# Altium PCB Master_v1i3.PcbDoc
Units mm, origin at the board's own origin, x right, y up, seen from the top; angles counter-clockwise.
Board outline 102 x 79 mm, 4 copper layers (L1, L2, L3, L4), stack 0.844 mm thick; 33 components, 66 nets, 406 pads, 65 vias.
Unrouted connection lines stored in the file: 12.
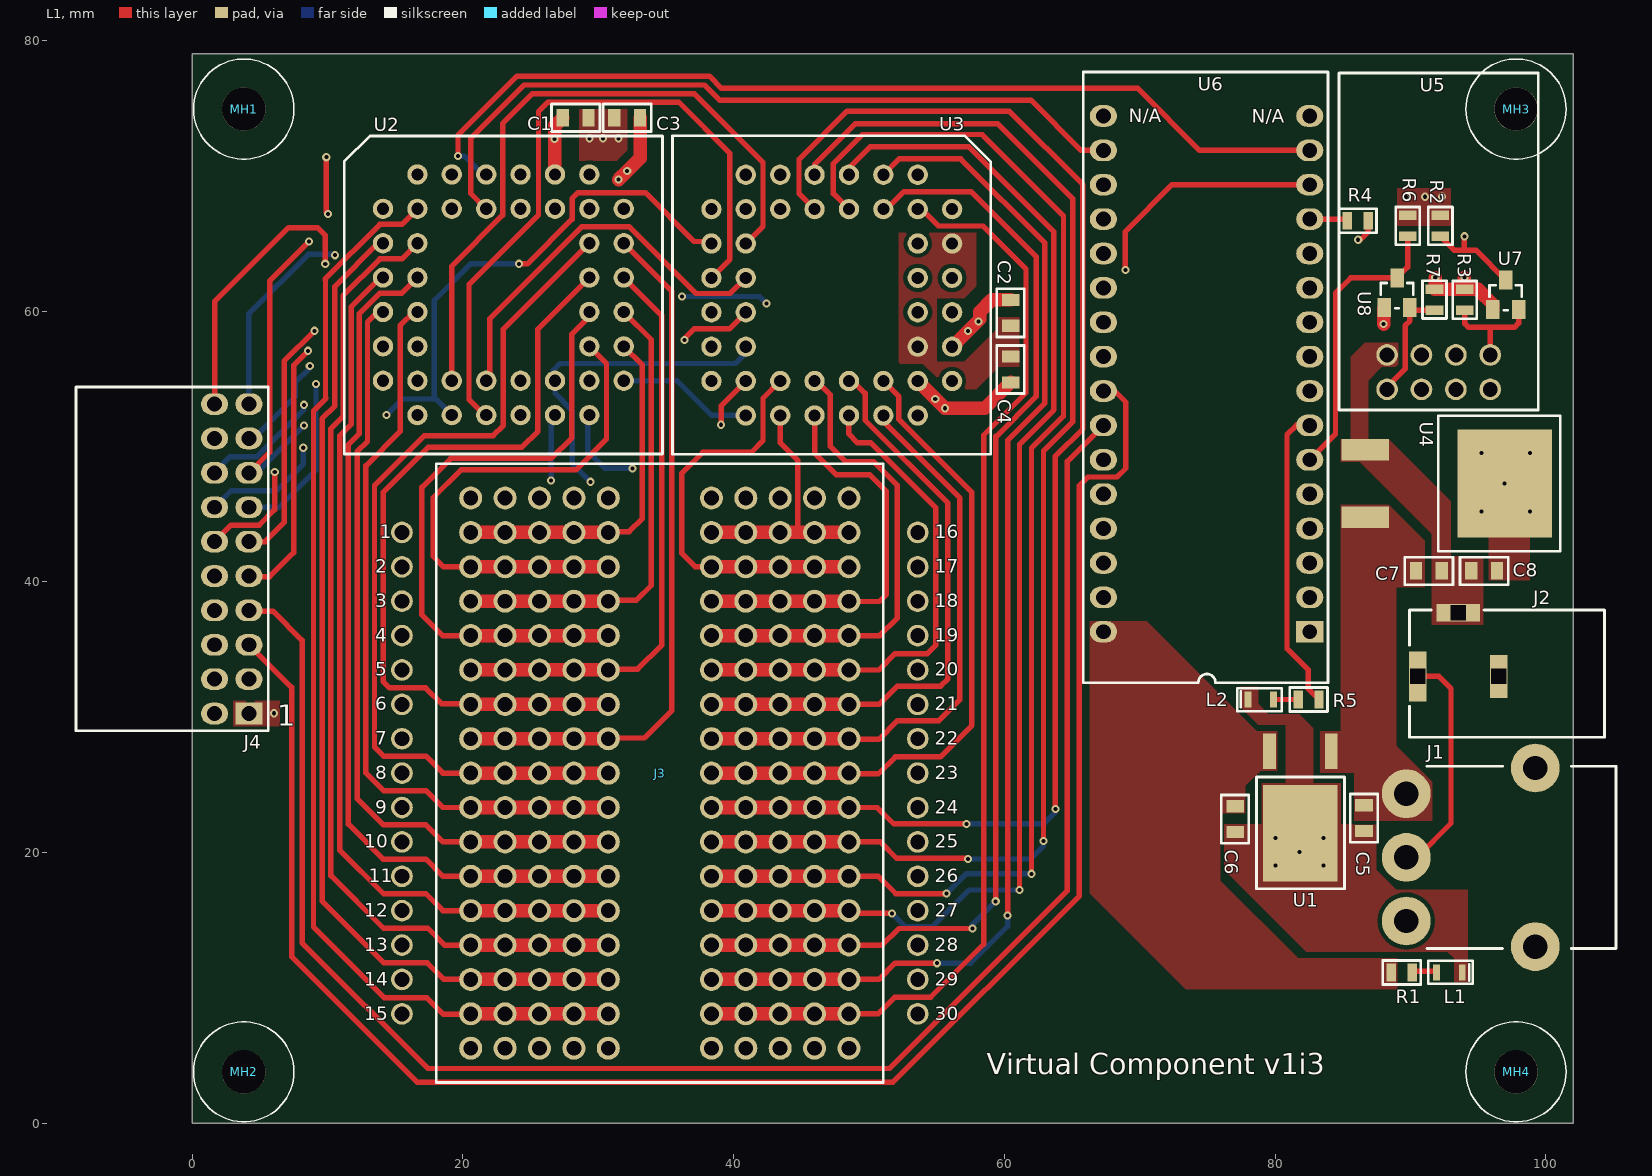
[diagram p0: L1 view]
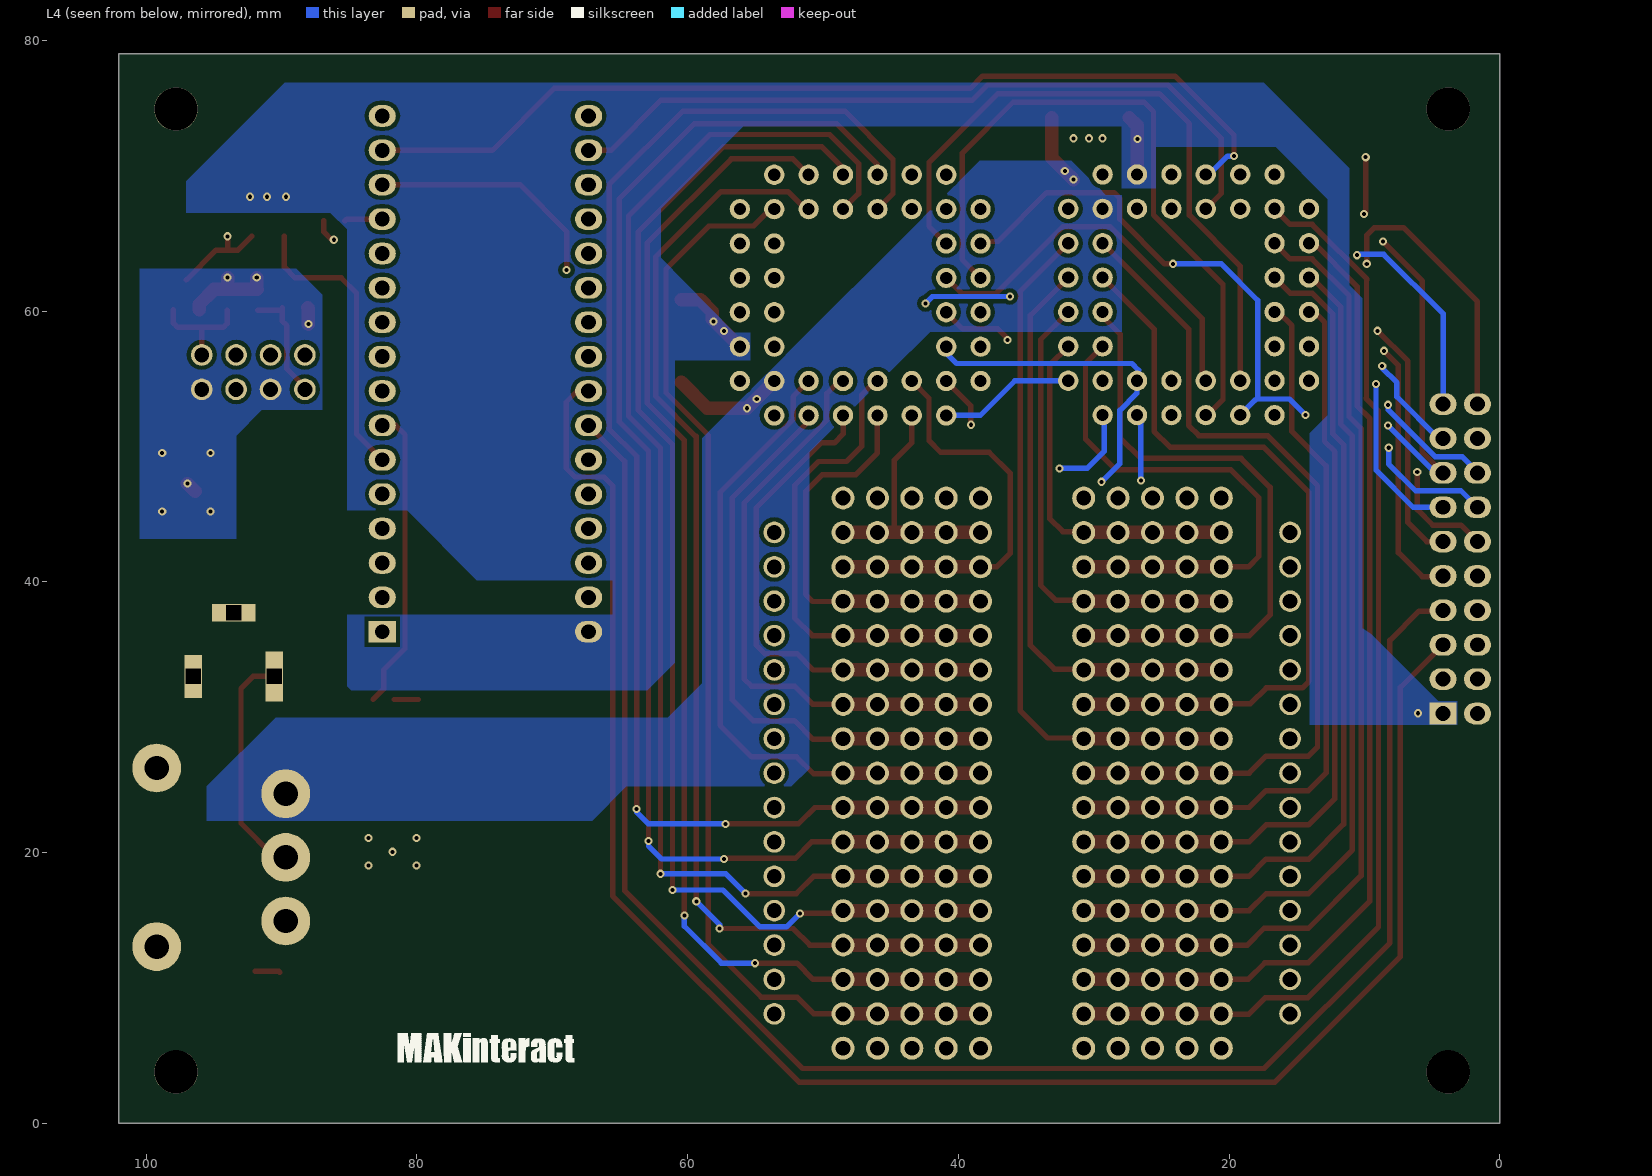
[diagram p1: L4 view, seen from below]
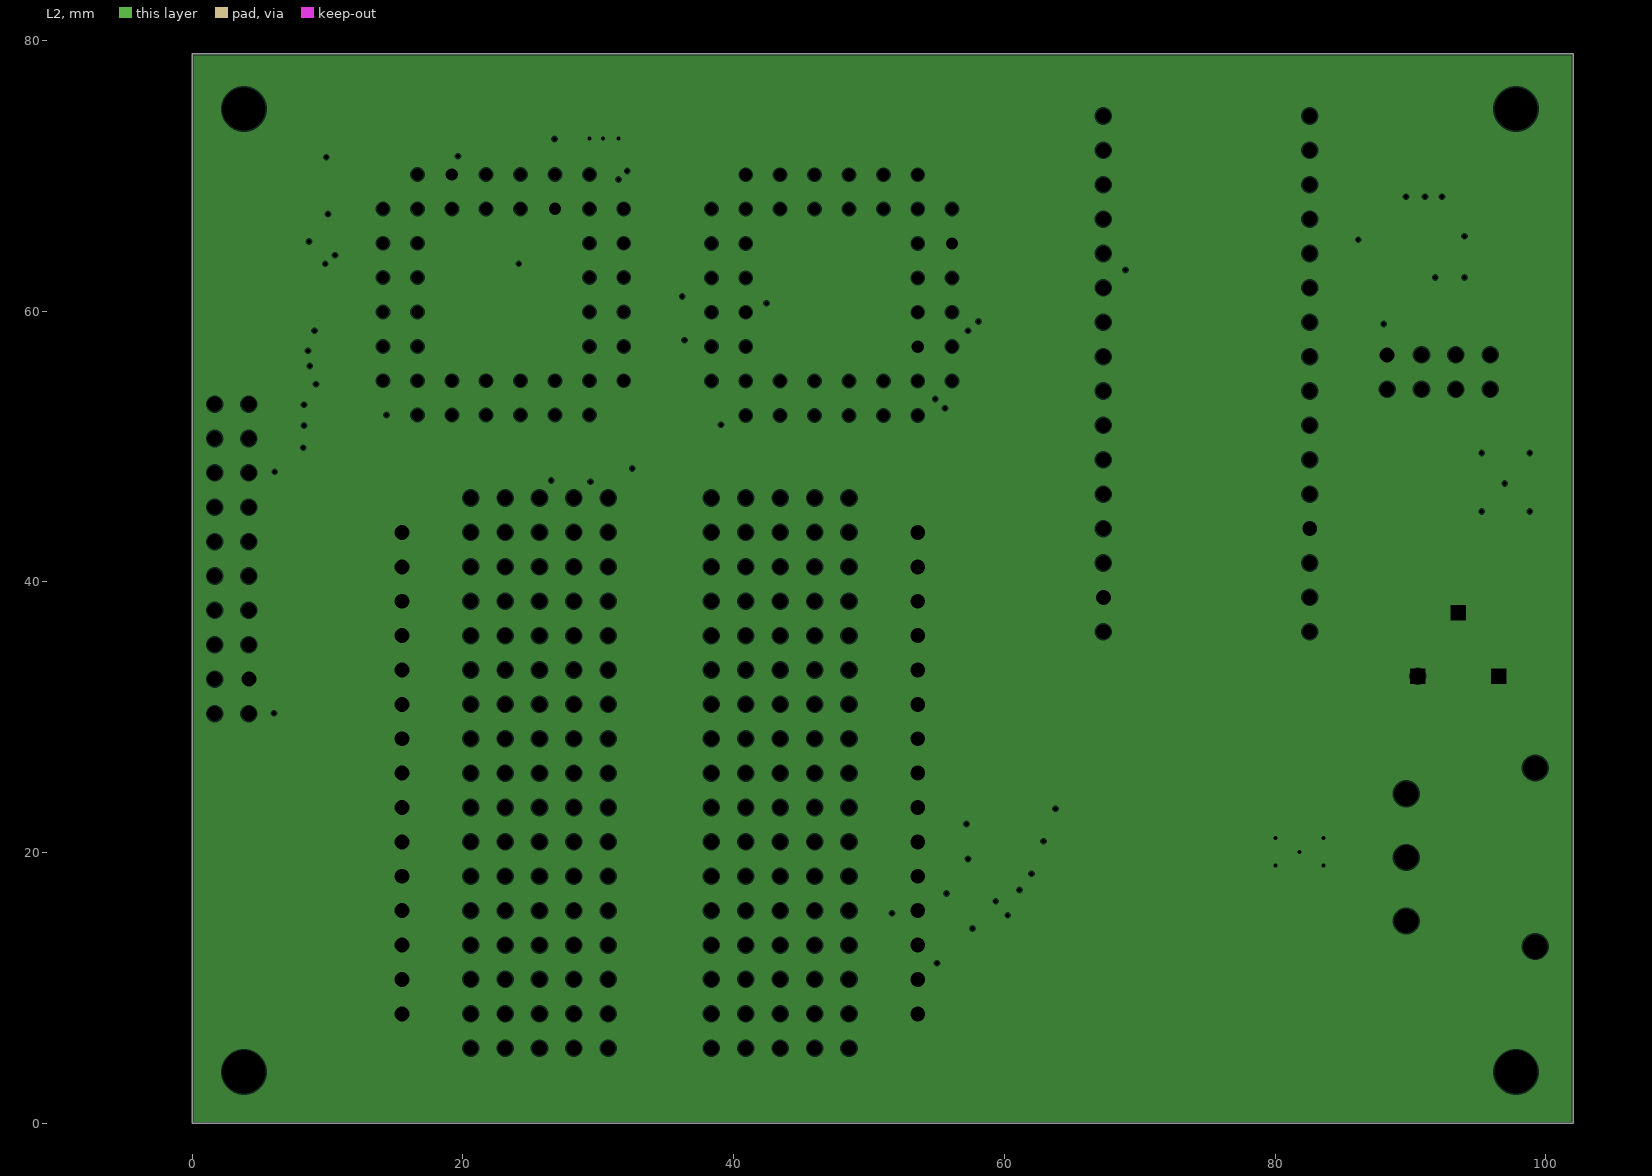
[diagram p2: L2, clearances drawn from the general rule]
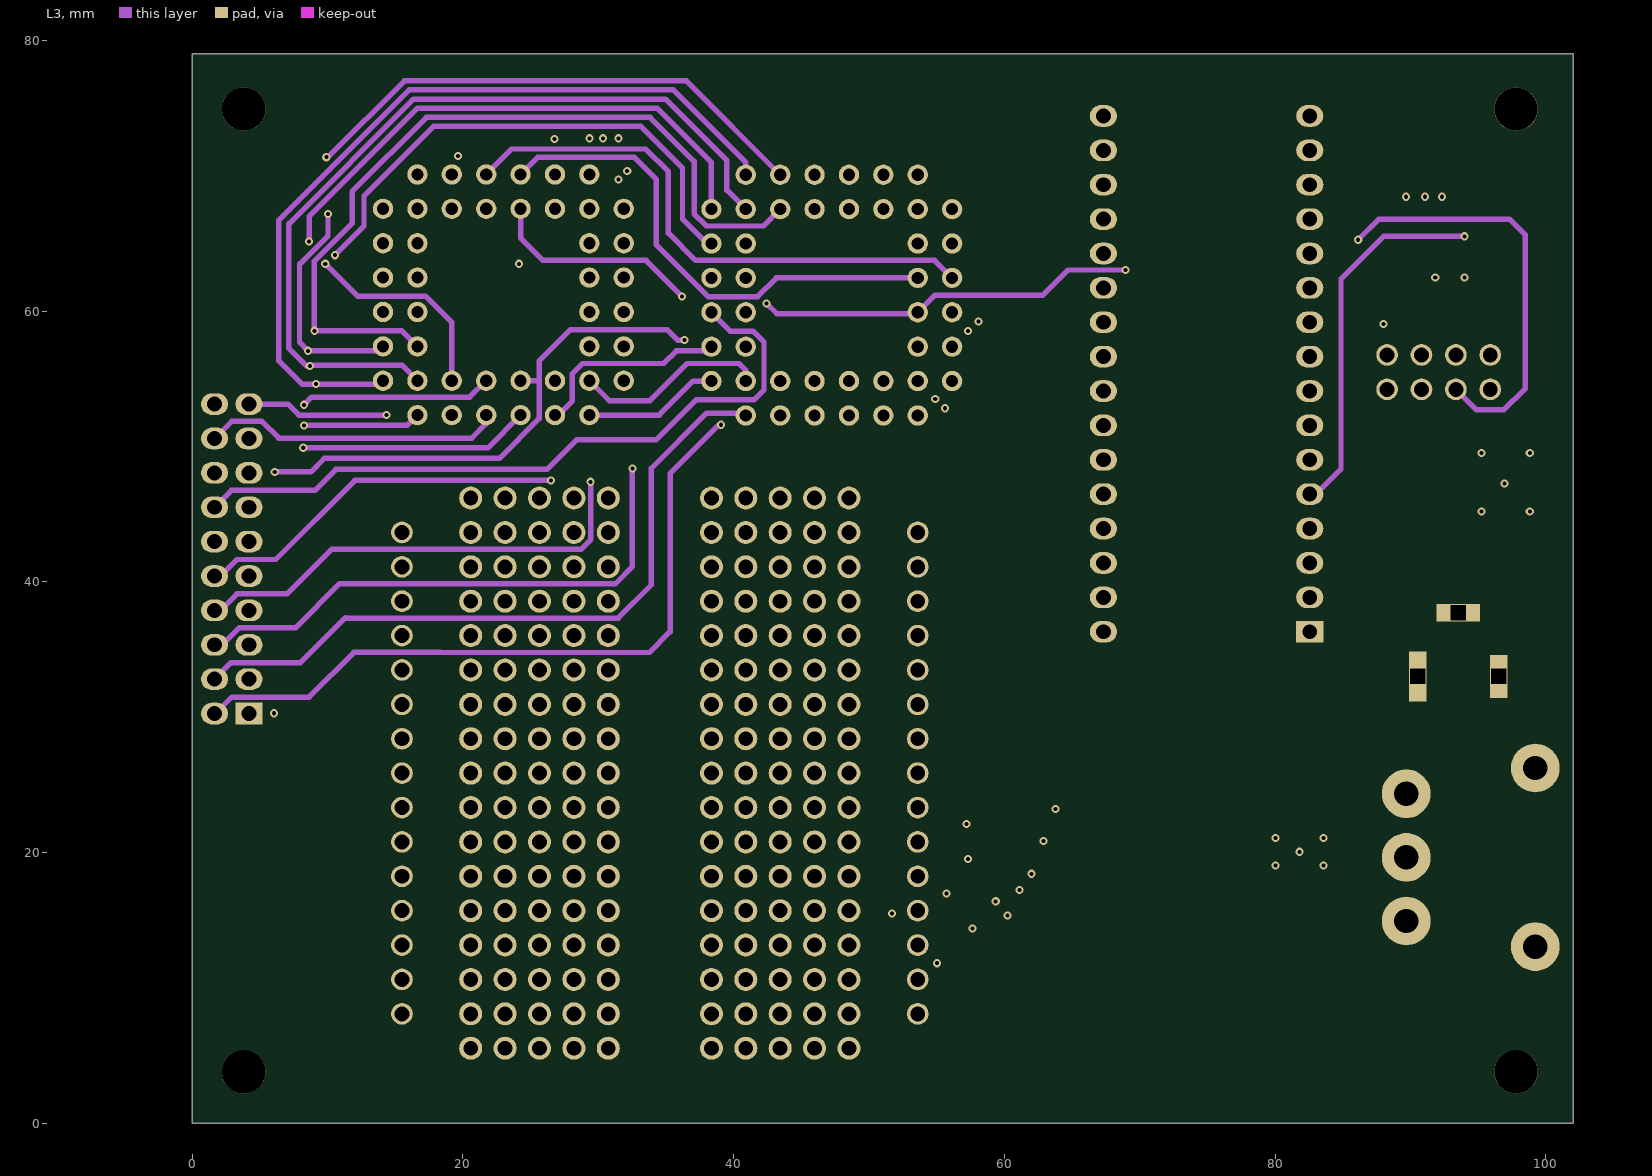
[diagram p3: L3]
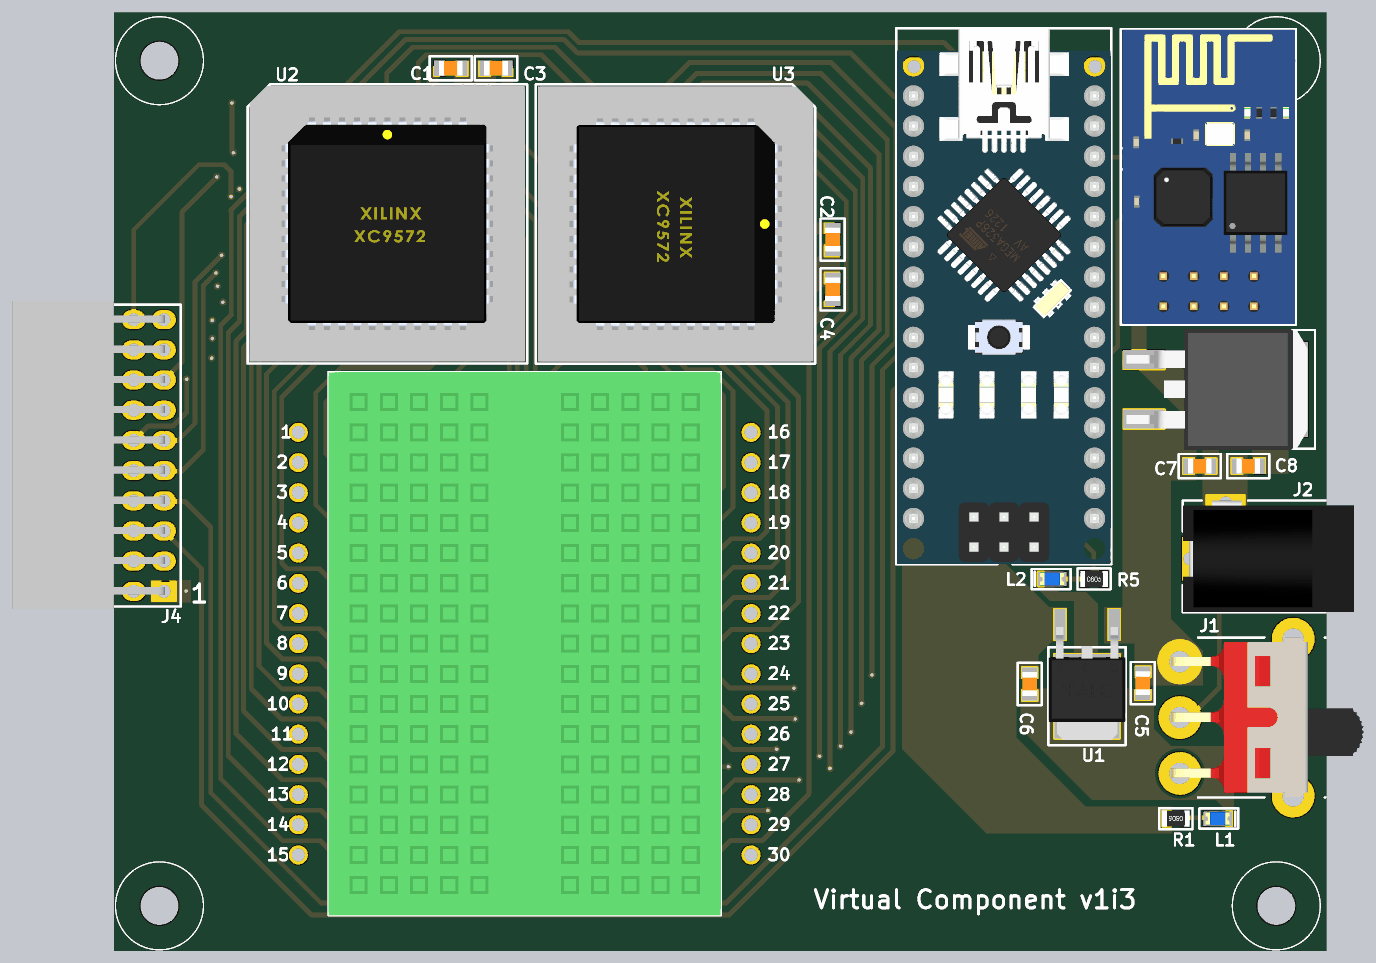
[diagram p4: 3D render of the assembled board from above, using the file's embedded part models]

## Layer stack, top to bottom
Top Solder: solder mask 0.0102, Solder Resist, Dk 3.5
L1: signal copper 0.0356
Dielectric 1: core 0.32, FR-4, Dk 4.8
L2: plane copper 0.036, net GND
Dielectric 3: prepreg 0.127, Dk 4.2
L3: signal copper 0.036
Dielectric 6: core 0.254, Dk 4.2
L4: signal copper 0.0356
Bottom Solder: solder mask 0.0102, Solder Resist, Dk 3.5

## Board outline
0,0 102,0 102,79 0,79

## Design rules (kind name [scope] priority, off if disabled: settings)
Clearance "Around polygon" [IsRegion] p1: gap=0.3 ignorepadtopadclearanceinfootprint=FALSE
Clearance [All] p2: gap=0.2 ignorepadtopadclearanceinfootprint=FALSE
ComponentClearance [All] p1: gap=0.2 collisioncheckmode=3 verticalgap=0.2 showdistances=FALSE
HoleSize [All] p1: absolutevalues=TRUE maxlimit=3.5 minlimit=0.2 maxpercent=80.000 minpercent=20.000
HoleToHoleClearance [All] p1: gap=0.305 allowstackedmicrovias=TRUE
MinimumSolderMaskSliver [All] p1: minsoldermaskwidth=0.33
PlaneClearance [All] p1: clearance=0.1
PlaneConnect [All] p1: planeconnectstyle=Direct reliefexpansion=0.508 reliefentries=4 reliefconductorwidth=0.254 reliefairgap=0.254
PolygonConnect [All] p1: connectstyle=Direct reliefconductorwidth=0.254 reliefentries=4 polygonreliefangle="90 Angle" airgapwidth=0.254
RoutingVias [All] p1: holewidth=0.3 width=0.6 viastyle="Through Hole" minholewidth=0.3 minwidth=0.6 maxholewidth=0.3 maxwidth=0.6
SilkToSilkClearance [All] p1: silktosilkclearance=0.1
SilkToSolderMaskClearance [IsPad] p1: minsilkscreentomaskgap=0.1 clearancetoexposedcopper=TRUE
SolderMaskExpansion [All] p1: expansion=0.1
Width Width_POWER [InNet ('+*') or InNet('GND')] p1: maxlimit=3 minlimit=0.4 preferedwidth=0.4
Width [All] p2: maxlimit=1 minlimit=0.3 preferedwidth=0.4
22 further rules are at their usual default settings.

## Components (designator, comment, footprint, x,y, rotation, side; value= is the part's Value field where it differs from the comment)
C1 "100n" C0805 28.321,74.295 r180 top
C2 "100n" C0805 60.452,59.878 r90 top
C3 "100n" C0805 32.131,74.295 r180 top
C4 "100n" C0805 60.452,55.692 r90 top
C5 "330n" C0805 86.563,22.555 r90 top
C6 "100n" C0805 77.038,22.479 r90 top
C7 "10u" C0805 91.354,40.818 r180 top
C8 "10u" C0805 95.428,40.818 r0 top
J1 "500SSP1S1M6QEA" "SLIDE SPDT" 89.682,24.356 r270 top
J2 "PJ-002A" PJ-002A 90.52,33.02 r0 top
J3 "MiniBreadbaord" "MINI_BREADBOARD _HOLE" 34.544,25.877 r0 top
J4 "PPPC102LJBN-RC" HDR_FEMALE_10X2X2.54 4.191,30.277 r180 top locked
L1 "LED0805" LED0805 92.862,11.151 r180 top
L2 "LED0805" LED0805 78.933,31.318 r0 top
MH1 "MH 3.2mm NP" MH3.2MM 3.81,74.93 r0 top
MH2 "MH 3.2mm NP" MH3.2MM 3.81,3.81 r0 top
MH3 "MH 3.2mm NP" MH3.2MM 97.79,74.93 r0 top
MH4 "MH 3.2mm NP" MH3.2MM 97.79,3.81 r0 top
R1 "510" R0805 89.344,11.151 r180 top
R2 "10k" R0805 92.202,66.307 r90 top
R3 "10k" R0805 94.005,60.833 r90 top
R4 "10k" R0805 86.093,66.675 r180 top
R5 "510" R0805 82.461,31.318 r0 top
R6 "10k" R0805 89.789,66.307 r90 top
R7 "10k" R0805 91.77,60.858 r90 top
U1 "L7805CDT-TR" DPAK 81.864,23.338 r270 top
U2 "AD75019JPZ" PLCC44_DIP 22.987,61.212 r0 top locked
U3 "AD75019JPZ" PLCC44_DIP 47.244,61.189 r270 top locked
U4 "LD1085D2T33R" D2PAK 95.052,47.269 r0 top
U5 "ESP8266" ESP8266 88.265,54.229 r90 top locked
U6 "A000005" ARDUINO_NANO 82.55,36.322 r180 top locked
U7 "BSS138W" SOT-323 97.028,61.214 r0 top
U8 "BSS138W" SOT-323 89.002,61.366 r0 top

## Footprints (in the part's own frame and the unit in brackets; to place one, negate y for a bottom-side part, rotate by r counter-clockwise, add the part's x,y. Pads: shape width x height; smd on the part's side, far side on the other; paste and mask are expansions set on the pad)
ARDUINO_NANO [mm]
  rect 2x1.6 hole 1.1: 1(0,0)
  oval 2x1.6 hole 1.1: 2(0,-2.54) 3(0,-5.08) 4(0,-7.62) 5(0,-10.16) 6(0,-12.7) 7(0,-15.24) 8(0,-17.78) 9(0,-20.32) 10(0,-22.86) 11(0,-25.4) 12(0,-27.94) 13(0,-30.48) 14(0,-33.02) 15(0,-35.56) 16(15.24,-35.56) 17(15.24,-33.02) 18(15.24,-30.48) 19(15.24,-27.94) 20(15.24,-25.4) 21(15.24,-22.86) 22(15.24,-20.32) 23(15.24,-17.78) 24(15.24,-15.24) 25(15.24,-12.7) 26(15.24,-10.16) 27(15.24,-7.62) 28(15.24,-5.08) 29(15.24,-2.54) 30(15.24,0) ""(0,-38.1) ""(15.24,-38.1)
  silkscreen extent -1.37,-41.35 16.74,3.76, body extent -1.33,-41.27 16.67,3.73, height 12.61
C0805 [mm]
  rect 0.9x1.3 smd: 1(-0.95,0) 2(0.95,0)
  silkscreen extent -1.78,-1.02 1.78,1.02, body extent -1,-0.62 1,0.62, height 0.81
D2PAK [mm]
  rect 3.5x1.6 smd: 1(-8.4,2.5) 3(-8.4,-2.5)
  rect 7x8 smd: 4(1.9,0)
  silkscreen extent -3,-5 6,5, body extent -9.92,-5.08 5.35,5.08, height 4.78
DPAK [mm] "D-PAK, 3-Pads, Body 6.10x6.56mm (max), IPC Medium Density"
  rect 2.6x0.95 smd: 1(-4.15,2.28) 3(-4.15,-2.28)
  rect 7.1x5.5 smd: 4(1.9,0)
  silkscreen extent -2.25,-3.25 6,3.25, body extent -3.94,-3.24 5.56,3.25, height 2.31
ESP8266 [mm]
  round 1.6 hole 1.1: 1(0,0) 2(0,-2.54) 3(0,-5.08) 4(0,-7.62) 5(2.54,-7.62) 6(2.54,-5.08) 7(2.54,-2.54) 8(2.54,0)
  silkscreen extent -1.52,-11.18 23.37,3.56, body extent -1.47,-11.09 23.33,3.41, height 5.88
HDR_FEMALE_10X2X2.54 [mm] "PPPC102LJBN-RC"
  rect 2x1.6 hole 1.1: 1(0,0)
  oval 2x1.6 hole 1.1: 2(0,-2.54) 3(0,-5.08) 4(0,-7.62) 5(0,-10.16) 6(0,-12.7) 7(0,-15.24) 8(0,-17.78) 9(0,-20.32) 10(0,-22.86) 11(2.54,-22.86) 12(2.54,-20.32) 13(2.54,-17.78) 14(2.54,-15.24) 15(2.54,-12.7) 16(2.54,-10.16) 17(2.54,-7.62) 18(2.54,-5.08) 19(2.54,-2.54) 20(2.54,0)
  silkscreen extent -1.42,-24.13 12.78,1.27, body extent -0.08,-24.43 12.76,1.47, height 5.09
LED0805 [mm]
  rect 0.5x1.2 smd: 1(-0.95,0) 2(0.95,0)
  silkscreen extent -1.73,-0.86 1.55,0.84, body extent -1.01,-0.62 1.01,0.63, height 1.1
MH3.2MM [mm] "MHNP 3.2mm"
  round 3.2 hole 3.2 unplated: 1(0,0)
  silkscreen extent -3.7,-3.7 3.7,3.7
"MINI_BREADBOARD _HOLE" [mm]
  round 1.7 hole 1.1: 1(-13.97,17.78) 1(-11.43,17.78) 1(-8.89,17.78) 1(-6.35,17.78) 1(-3.81,17.78) 2(-13.97,15.24) 2(-11.43,15.24) 2(-8.89,15.24) 2(-6.35,15.24) 2(-3.81,15.24) 3(-13.97,12.7) 3(-11.43,12.7) 3(-8.89,12.7) 3(-6.35,12.7) 3(-3.81,12.7) 4(-13.97,10.16) 4(-11.43,10.16) 4(-8.89,10.16) 4(-6.35,10.16) 4(-3.81,10.16) 5(-13.97,7.62) 5(-11.43,7.62) 5(-8.89,7.62) 5(-6.35,7.62) 5(-3.81,7.62) 6(-13.97,5.08) 6(-11.43,5.08) 6(-8.89,5.08) 6(-6.35,5.08) 6(-3.81,5.08) 7(-13.97,2.54) 7(-11.43,2.54) 7(-8.89,2.54) 7(-6.35,2.54) 7(-3.81,2.54) 8(-13.97,0) 8(-11.43,0) 8(-8.89,0) 8(-6.35,0) 8(-3.81,0) 9(-13.97,-2.54) 9(-11.43,-2.54) 9(-8.89,-2.54) 9(-6.35,-2.54) 9(-3.81,-2.54) 10(-13.97,-5.08) 10(-11.43,-5.08) 10(-8.89,-5.08) 10(-6.35,-5.08) 10(-3.81,-5.08) 11(-13.97,-7.62) 11(-11.43,-7.62) 11(-8.89,-7.62) 11(-6.35,-7.62) 11(-3.81,-7.62) 12(-13.97,-10.16) 12(-11.43,-10.16) 12(-8.89,-10.16) 12(-6.35,-10.16) 12(-3.81,-10.16) 13(-13.97,-12.7) 13(-11.43,-12.7) 13(-8.89,-12.7) 13(-6.35,-12.7) 13(-3.81,-12.7) 14(-13.97,-15.24) 14(-11.43,-15.24) 14(-8.89,-15.24) 14(-6.35,-15.24) 14(-3.81,-15.24) 15(-13.97,-17.78) 15(-11.43,-17.78) 15(-8.89,-17.78) 15(-6.35,-17.78) 15(-3.81,-17.78) 16(3.81,17.78) 16(6.35,17.78) 16(8.89,17.78) 16(11.43,17.78) 16(13.97,17.78) 17(3.81,15.24) 17(6.35,15.24) 17(8.89,15.24) 17(11.43,15.24) 17(13.97,15.24) 18(3.81,12.7) 18(6.35,12.7) 18(8.89,12.7) 18(11.43,12.7) 18(13.97,12.7) 19(3.81,10.16) 19(6.35,10.16) 19(8.89,10.16) 19(11.43,10.16) 19(13.97,10.16) 20(3.81,7.62) 20(6.35,7.62) 20(8.89,7.62) 20(11.43,7.62) 20(13.97,7.62) 21(3.81,5.08) 21(6.35,5.08) 21(8.89,5.08) 21(11.43,5.08) 21(13.97,5.08) 22(3.81,2.54) 22(6.35,2.54) 22(8.89,2.54) 22(11.43,2.54) 22(13.97,2.54) 23(3.81,0) 23(6.35,0) 23(8.89,0) 23(11.43,0) 23(13.97,0) 24(3.81,-2.54) 24(6.35,-2.54) 24(8.89,-2.54) 24(11.43,-2.54) 24(13.97,-2.54) 25(3.81,-5.08) 25(6.35,-5.08) 25(8.89,-5.08) 25(11.43,-5.08) 25(13.97,-5.08) 26(3.81,-7.62) 26(6.35,-7.62) 26(8.89,-7.62) 26(11.43,-7.62) 26(13.97,-7.62) 27(3.81,-10.16) 27(6.35,-10.16) 27(8.89,-10.16) 27(11.43,-10.16) 27(13.97,-10.16) 28(3.81,-12.7) 28(6.35,-12.7) 28(8.89,-12.7) 28(11.43,-12.7) 28(13.97,-12.7) 29(3.81,-15.24) 29(6.35,-15.24) 29(8.89,-15.24) 29(11.43,-15.24) 29(13.97,-15.24) 30(3.81,-17.78) 30(6.35,-17.78) 30(8.89,-17.78) 30(11.43,-17.78) 30(13.97,-17.78) ""(-13.97,-20.32) ""(-13.97,20.32) ""(-11.43,-20.32) ""(-11.43,20.32) ""(-8.89,-20.32) ""(-8.89,20.32) ""(-6.35,-20.32) ""(-6.35,20.32) ""(-3.81,-20.32) ""(-3.81,20.32) ""(3.81,-20.32) ""(3.81,20.32) ""(6.35,-20.32) ""(6.35,20.32) ""(8.89,-20.32) ""(8.89,20.32) ""(11.43,-20.32) ""(11.43,20.32) ""(13.97,-20.32) ""(13.97,20.32)
  round 1.6 hole 1.1: 31(-19.05,-17.78) 31(-19.05,-15.24) 31(-19.05,-12.7) 31(-19.05,-10.16) 31(-19.05,-7.62) 31(-19.05,-5.08) 31(-19.05,-2.54) 31(-19.05,0) 31(-19.05,2.54) 31(-19.05,5.08) 31(-19.05,7.62) 31(-19.05,10.16) 31(-19.05,12.7) 31(-19.05,15.24) 31(-19.05,17.78) 31(19.05,-17.78) 31(19.05,-15.24) 31(19.05,-12.7) 31(19.05,-10.16) 31(19.05,-7.62) 31(19.05,-5.08) 31(19.05,-2.54) 31(19.05,0) 31(19.05,2.54) 31(19.05,5.08) 31(19.05,7.62) 31(19.05,10.16) 31(19.05,12.7) 31(19.05,15.24) 31(19.05,17.78)